# Allegro board HI3516AREFB VER.D.brd (continued)
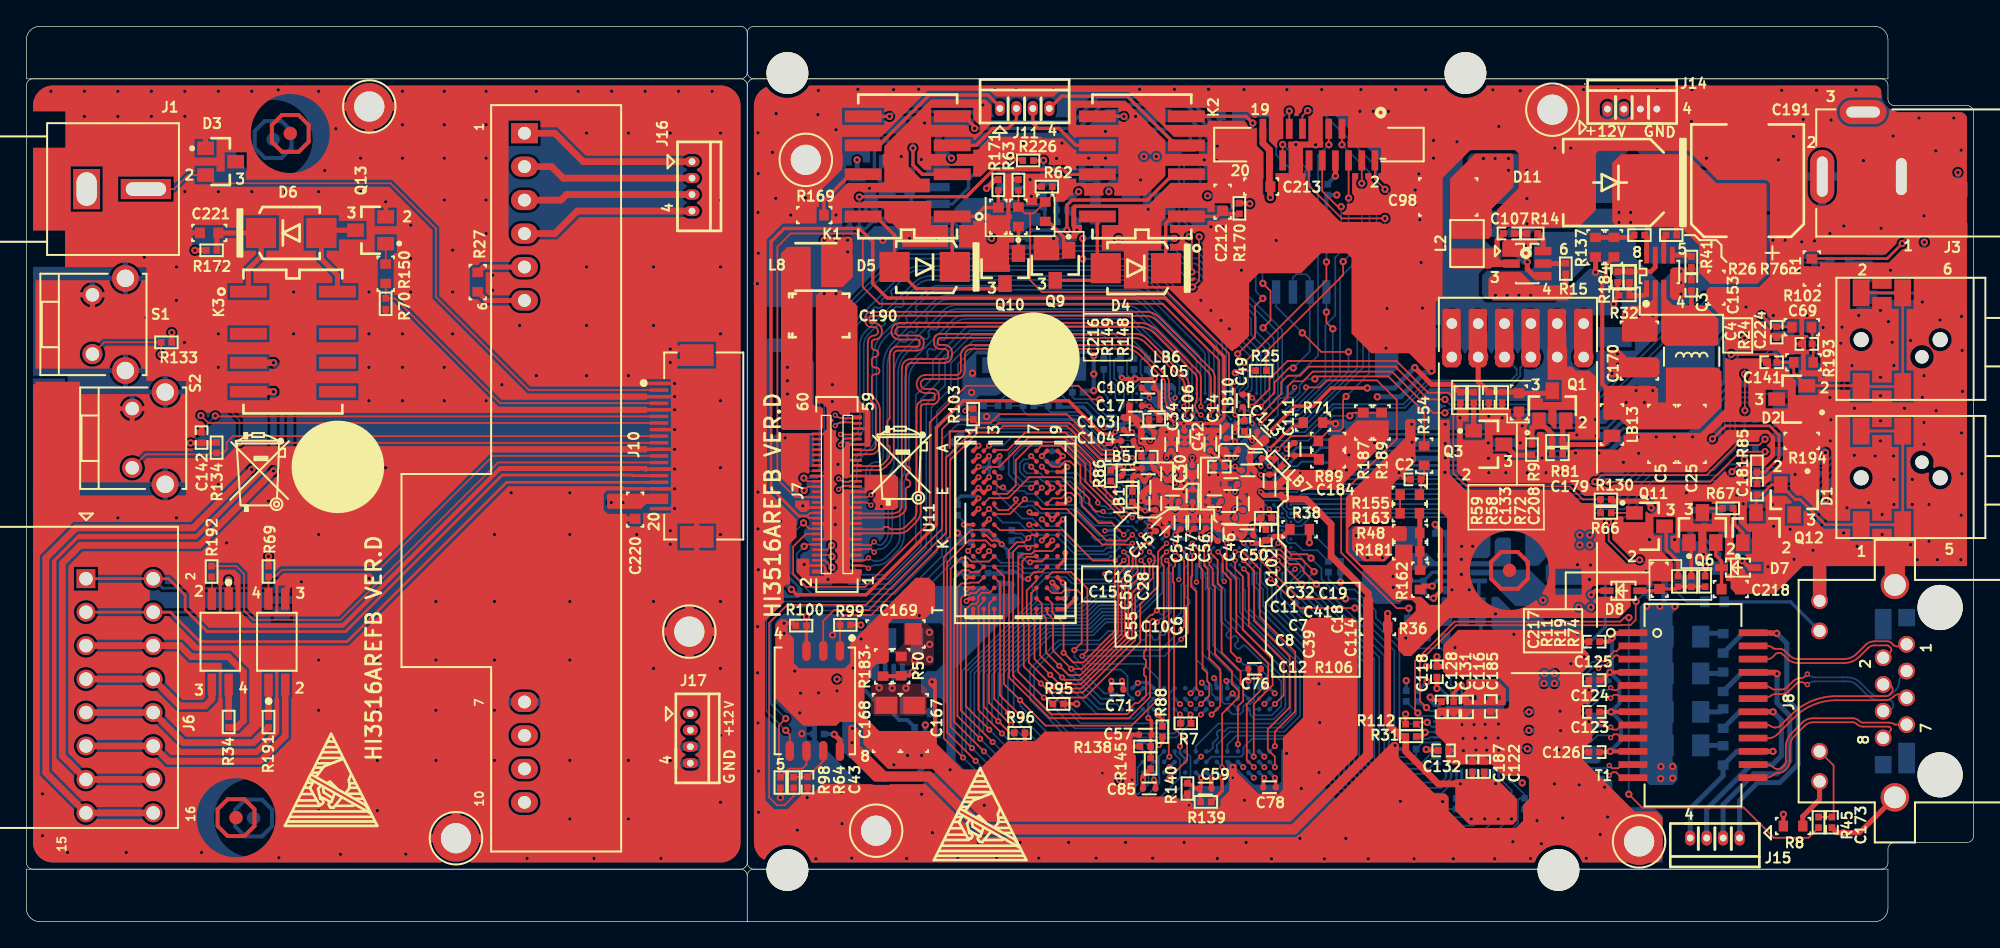
[diagram p0: board, top side]
## Routing (per net, layer and track width the routed paths; a pad name or vN(x,y) marks a point on that pad's centre or on a via; arc(x,y) is an arc through that point) (continued)
DDR3_DQ14: length 14
  TOP w0.13: v3(91.98,19.88) 91.37,20.49 91.37,25.98 90.76,26.59 90.76,27.72 v2(90.41,28.07)
  BOTTOM w0.13: U8.D14 v2(90.41,28.07) ; v3(91.98,19.88) 92.36,19.5 93.3,19.5 94.14,18.67 94.14,18.18 93.93,17.97 93.93,17.33 U12.B8
DDR3_DQ15: length 18.6
  TOP w0.13: v2(91.71,28.07) 92.28,28.07 93.58,26.77 93.58,23.16 96.27,20.47 96.27,15.97 94.72,14.42 v3(94.72,13.33)
  BOTTOM w0.102: U8.D16 v2(91.71,28.07)
  BOTTOM w0.13: v3(94.72,13.33) U12.A3
DDR3_DQ16: length 16.2
  TOP w0.13: v2(83.26,30.67) 83.26,30.67 83.08,30.67 80.35,33.4 80.35,34.74 78.67,36.42 76.46,36.42 75.06,35.02 75.06,33.12 74.43,32.48 73.5,32.48 U11.E3
  BOTTOM w0.13: U8.G3 v2(83.26,30.67)
DDR3_DQ17: length 9.1
  TOP w0.13: v2(83.91,28.72) 83.81,28.62 81.63,28.62 78.91,31.34 77.04,31.34 U11.F7
  BOTTOM w0.13: U8.D3 v2(83.91,28.72)
DDR3_DQ18: length 14.1
  TOP w0.13: U11.F2 73.05,32.15 74.51,32.15 76.09,33.74 78.53,33.74 80.07,32.2 80.07,31.57 81.36,30.27 82.36,30.27 v2(83.26,29.37)
  BOTTOM w0.13: U8.F3 v2(83.26,29.37)
DDR3_DQ19: length 9.5
  TOP w0.13: v2(83.91,29.37) 83.47,28.93 81.95,28.93 79.59,31.29 79.59,32.23 79.26,32.56 78.95,32.56 78.53,32.14 77.84,32.14 U11.F8
  BOTTOM w0.13: U8.E4 v2(83.91,29.37)
DDR3_DQ20: length 10.8
  TOP w0.13: U11.H3 73.86,29.72 76.26,29.72 76.27,29.73 78.6,29.73 80.91,27.42 v2(82.61,27.42)
  BOTTOM w0.13: U8.C2 v2(82.61,27.42)
DDR3_DQ21: length 8.2
  TOP w0.127: U11.H8 77.44,30.14 v3(77.04,30.54)
  BOTTOM w0.13: U8.E3 83.26,28.72 81.85,28.72 81.62,28.49 79.89,28.49 78.37,30.02 77.56,30.02 v3(77.04,30.54)
DDR3_DQ22: length 12.4
  TOP w0.13: v3(73.04,31.33) 72.65,30.94 U11.G2
  BOTTOM w0.13: U8.C1 82.08,27.53 76.74,27.53 76.49,27.78 76.49,29.31 76.16,29.64 75.99,29.64 75.33,30.3 74.08,30.3 v3(73.04,31.33)
DDR3_DQ23: length 8.6
  TOP w0.127: U11.H7 76.64,30.14 v3(76.09,30.14)
  BOTTOM w0.13: U8.D2 82.6,28.06 82.15,28.06 81.97,27.89 79.56,27.89 78.09,29.36 76.87,29.36 v3(76.09,30.14)
DDR3_DQ24: length 16.3
  TOP w0.13: U11.D7 76.64,33.34 v3(76.24,32.94)
  BOTTOM w0.13: v3(76.24,32.94) 76.11,33.07 75.39,33.07 74.53,33.93 74.53,35.53 75.42,36.42 78.85,36.42 82,33.27 83.07,33.27 83.24,33.09 83.24,33.09 83.26,33.08 83.26,31.98 U8.J3
DDR3_DQ25: length 12.5
  TOP w0.127: v3(73.84,33.74) 73.44,34.14 U11.C3
  BOTTOM w0.13: v3(73.84,33.74) 73.62,33.52 73.62,32.53 75.55,30.6 76.33,30.6 77.25,29.69 78.27,29.69 79.81,28.14 81.72,28.14 81.98,28.4 U8.D1
DDR3_DQ26: length 7
  TOP w0.13: U11.C8 77.44,34.14 v3(77.04,34.54)
  BOTTOM w0.13: U8.J1 82.12,31.65 79.71,34.06 78.7,34.06 78.57,34.18 77.4,34.18 v3(77.04,34.54)
DDR3_DQ27: length 16.1
  TOP w0.13: U11.C2 73.02,34.52 73.8,34.52 76.03,36.75 78.77,36.75 80.73,34.79 80.73,33.45 83.09,31.09 83.49,31.09 v2(83.91,30.67)
  BOTTOM w0.13: v2(83.91,30.67) 84.24,30.99 U8.H4
DDR3_DQ28: length 9.5
  TOP w0.13: U11.A7 77.04,36.14 78.47,36.14 79.97,34.64 79.97,33.32 81.29,32 v2(81.29,31.8)
  BOTTOM w0.13: v2(81.29,31.8) 81.54,31.54 81.85,31.54 82.08,31.31 82.46,31.31 82.78,31 U8.H2
DDR3_DQ29: length 15.2
  TOP w0.127: U11.A2 72.64,35.74 v3(73.04,36.14)
  BOTTOM w0.13: v3(73.04,36.14) 74.1,36.14 74.73,36.78 78.98,36.78 81.83,33.92 83.78,33.92 83.9,33.79 83.9,31.98 84,31.88 U8.J4
DDR3_DQ30: length 7.9
  TOP w0.13: U11.B8 77.84,34.54 78.4,34.54 78.8,34.95 79.18,34.95 79.59,34.54 79.59,33.17 80.65,32.1 80.65,31.64 81.16,31.14 v2(81.69,31.14)
  BOTTOM w0.13: v2(81.69,31.14) 81.84,31 U8.H1
DDR3_DQ31: length 15.6
  TOP w0.13: v2(84.56,30.67) 83.89,31.34 83.27,31.34 81.11,33.5 81.11,34.87 78.85,37.13 75.78,37.13 74.46,35.81 73.51,35.81 U11.A3
  BOTTOM w0.13: U8.G4 84.24,30.35 v2(84.56,30.67)
DDR3_DQS0_N: length 21.4
  BOTTOM w0.114: U8.A15 91.39,26.27 91.78,25.87 91.78,24.91 91.76,24.89 91.76,24.87
  BOTTOM w0.127: 91.76,24.87 91.76,23.35 96.32,18.79 96.32,15.74 95.31,14.73 91.2,14.73 90.93,14.46 90.75,14.46 90.68,14.54 90.5,14.54 90.32,14.36 90.32,14.18 90.39,14.1 90.39,13.92 90.02,13.55 90.02,13.2 89.75,12.93 U12.G3
DDR3_DQS0_P: length 21.4
  BOTTOM w0.114: 92.07,24.87 92.07,24.89 92.05,24.91 92.05,25.99 91.73,26.31 91.73,26.75 U8.B15
  BOTTOM w0.127: U12.F3 90.32,13.43 91.32,14.42 95.44,14.42 96.63,15.62 96.63,18.92 92.07,23.48 92.07,24.87
DDR3_DQS1_N: length 16.8
  BOTTOM w0.127: U12.B7 93.27,16.12 93.15,16 93.15,15.83 93.31,15.67 94.5,15.67 95.21,16.38 95.21,18.23 92.48,20.96 92.3,20.96 92.06,20.72 91.88,20.72 91.7,20.9 91.7,21.08 91.94,21.32 91.94,21.5 91.76,21.68 91.58,21.68 91.41,21.5 91.23,21.5 91.05,21.68 91.05,21.86 91.22,22.04 91.22,22.22 90.63,22.81 90.63,25.07 90.09,25.61 U8.A13
DDR3_DQS1_P: length 16.8
  BOTTOM w0.127: U8.B13 90.4,26.78 90.4,26.31 90.39,26.3 90.39,25.74 90.94,25.19 90.94,22.93 95.51,18.36 95.51,16.25 94.62,15.36 93.18,15.36 92.84,15.7 92.84,16 U12.C7
DDR3_DQS2_N: length 11.3
  TOP w0.127: U11.G3 74.61,30.94 75.74,32.07 v3(75.75,32.07)
  BOTTOM w0.114: U8.E2 82.62,29.36 82.05,29.36 81.98,29.3 81.48,29.3
  BOTTOM w0.127: 81.48,29.3 81.38,29.3 79.36,31.31 77.05,31.31 76.46,31.9 75.92,31.9 v3(75.75,32.07)
DDR3_DQS2_P: length 11.2
  TOP w0.127: U11.F3 73.44,31.57 73.76,31.24 74.49,31.24 75.06,31.82 v3(75.06,32.05)
  BOTTOM w0.114: U8.E1 82.15,29.05 82.11,29 81.48,29
  BOTTOM w0.127: v3(75.06,32.05) 75.06,31.87 75.45,31.49 75.85,31.49 75.95,31.59 76.34,31.59 76.92,31.01 79.23,31.01 80.83,29.41 80.83,29.23 81.07,28.99 81.25,28.99 81.26,29 81.48,29
DDR3_DQS3_N: length 11.3
  TOP w0.127: U11.B7 76.64,34.94 v3(76.24,35.34)
  BOTTOM w0.114: U8.G1 82.25,30.38 81.67,30.38 81.61,30.44 81.48,30.44
  BOTTOM w0.127: 81.48,30.44 81.3,30.44 80.2,31.54 79.94,31.8 79.94,32.36 79.94,32.69 79.2,33.42 77.12,33.42 76.82,33.73 75.8,33.73 75.37,34.16 75.37,34.79 75.68,35.09 75.99,35.09 v3(76.24,35.34)
DDR3_DQS3_P: length 11.2
  TOP w0.127: v3(76.24,34.54) 76.64,34.14 U11.C7
  BOTTOM w0.114: U8.G2 82.61,30.67 81.78,30.67 81.71,30.74 81.49,30.74 81.48,30.75
  BOTTOM w0.127: 81.48,30.75 81.42,30.75 80.86,31.31 80.86,31.54 80.65,31.75 80.42,31.75 80.25,31.92 80.25,32.36 80.25,32.81 79.33,33.73 77.25,33.73 76.94,34.03 75.93,34.03 75.67,34.29 75.67,34.66 75.8,34.79 75.99,34.79 v3(76.24,34.54)
DDR3_ODT_0: length 19.8
  TOP w0.13: v2(87.16,27.42) 87.16,27.03 87,26.87 87,25.78 87.08,25.71 87.08,14.7 88.07,13.71 88.07,12.27 v3(86.73,10.92)
  BOTTOM w0.13: U12.K1 87.12,11.32 v3(86.73,10.92) ; v2(87.16,27.42) 87.66,27.42 87.83,27.59 87.83,28.09 87.91,28.17 U8.D10
DDR3_ODT_1: length 13
  TOP w0.13: v3(71.44,28.14) 71.84,28.54 U11.K1
  BOTTOM w0.13: v3(71.44,28.14) 72.58,27 75.17,27 75.7,26.46 76.59,26.46 76.92,26.79 82.14,26.79 82.15,26.78 82.42,26.78 82.68,27.04 82.89,27.04 U8.B2
DDR3_RAS_N: length 66.2
  TOP w0.13: v3(71.07,12.46) 69.6,13.92 69.6,27.66 71.69,29.74 73.04,29.74 U11.J3
  BOTTOM w0.13: U12.J3 88.32,12.52 88.32,10.97 88.24,10.89 88.24,10.89 86.27,8.92 74.6,8.92 v3(71.07,12.46) 71,12.52 71,19.05 76.33,24.38 76.33,25.62 77.2,26.49 78.97,26.49 79.47,25.98 82.33,25.98 82.61,26.26 82.61,26.59 82.79,26.77 83.15,26.77 83.36,26.98 83.48,27.1 U8.B3
DDR3_RESET_N: length 40.1
  TOP w0.13: R96.2 74.63,14.33 v3(73.74,15.21) 72.64,16.32 U11.T2
  BOTTOM w0.13: U8.B6 85.2,26.76 85.2,25.29 83.41,23.51 81.6,23.51 80.61,22.52 77.4,22.52 73.74,18.86 v3(73.74,15.21) 76.83,12.12 U12.T2
DDR3_WE_N: length 59.7
  TOP w0.13: U11.L3 73.04,27.34 71.7,27.34 71.41,27.63 70.95,27.63 70.12,26.8 70.12,14.79 v3(71.74,13.18)
  BOTTOM w0.13: U12.L3 85.92,12.52 85.92,11.11 85.96,11.07 85.96,10.94 85.96,10.94 85.96,10.6 85.96,10.6 85.96,10.51 84.89,9.44 75.48,9.44 v3(71.74,13.18) 71.64,13.28 71.64,18.95 76.76,24.08 79.84,24.08 80.91,25.14 82.33,25.14 83.27,26.08 83.27,26.56 83.48,26.77 83.75,26.77 83.92,26.94 83.92,27.43 U8.C4
DDR3_ZQ: length 2.1
  TOP w0.13: R86.2 82.61,33.12 v2(82.61,32.62)
  BOTTOM w0.13: U8.J2 82.94,31.82 82.61,32.15 v2(82.61,32.62)
DRV+: length 7.7
  TOP w0.254: v1(67.27,58.72) 67.27,57.45 67.98,56.73 K1.2
  BOTTOM w0.254: C223.1 66.12,59.46 R190.2 ; C223.1 67.29,59.48 R17.2 ; C223.1 v1(67.27,58.72)
DRV-: length 4.9
  TOP w0.254: R169.2 60.51,54.73 62.51,56.73 K1.7
DVR+/A-_WHITE: length 6.5
  TOP w0.254: J11.2 75.11,60.85 74.48,60.22 73.34,60.22 72.05,58.93 K1.3
DVR-/B-_GREEN: length 12.4
  TOP w0.254: K1.6 64.69,58.93 68.5,62.75 72.97,62.75 73.86,61.85 J11.1
EPHY_CLK: length 18.2
  BOTTOM w0.127: U2.42 109.7,17.39 110.17,17.85 110.17,20.11 109.81,20.47 109.08,20.47 108.72,20.11 107.98,20.11 107.35,20.75 104.7,20.75 102.38,23.07 102.38,23.61 100.77,25.22 99.55,25.22 98.79,25.98 R22.1
EPHY_RSTN: length 25.1
  TOP w0.127: v2(94.96,28.72) 95.13,28.72 95.97,27.89 97.18,27.89 v1(97.47,27.6)
  BOTTOM w0.114: U8.D20 v2(94.96,28.72)
  BOTTOM w0.127: v1(97.47,27.6) 98.25,26.81 98.25,26.01 98.89,25.37 98.89,24.91 103.41,20.39 103.41,13.65 103.35,13.59 103.35,13.12 103.97,12.49 105.31,12.49 105.44,12.62 C192.1 105.94,13.6 U2.29
FLASH: length 52.4
  TOP w0.508: K3.3 v1(18.75,42.43) ; v1(18.75,34.21) 13.11,28.57 4.1,28.57 2.73,27.2 2.73,12.59 J6.13 J6.14
  BOTTOM w0.508: v1(18.75,42.43) 20.02,41.16 20.02,35.48 v1(18.75,34.21)
FLASH_COM: length 52.6
  TOP w0.508: v1(17.1,34.33) 12.66,29.89 3.77,29.89 1.48,27.61 1.48,11.3 J6.15 J6.16 ; K3.4 v1(18.75,40.23)
  BOTTOM w0.508: v1(18.75,40.23) 18.75,35.98 v1(17.1,34.33)
FLASH_CON: length 25.2
  TOP w0.127: R150.1 R70.2 27.98,47.31 35.93,39.36 J10.4
FLASH_TRIG: length 19
  TOP w0.127: v1(101.32,56.05) J9.4 ; R25.1 94.09,43.28 99.91,49.09 v1(99.91,50.11)
  BOTTOM w0.127: v1(99.91,50.11) 101.32,51.52 v1(101.32,56.05)
GPIO1: length 22.2
  TOP w0.127: v1(88.43,49.32) 88.43,51.79 v1(88.22,51.99)
  BOTTOM w0.127: v1(88.22,51.99) 88.22,52.12 87.46,52.88 87.46,57.7 87.84,58.09 88.3,58.09 U13.14 ; U8.AA19 93.66,39.77 93.66,43.25 92.54,44.37 92.54,45.64 88.86,49.32 v1(88.43,49.32)
GPIO2: length 20.8
  TOP w0.127: v1(88.98,51.99) 88.98,48.69 v1(88.48,48.18)
  BOTTOM w0.127: v1(88.48,48.18) 88.98,48.18 91.78,45.39 91.78,43.99 92.97,42.8 92.97,40.38 U8.AB17 ; v1(88.98,51.99) 87.84,53.13 87.84,57.45 87.97,57.58 U13.13
GPIO3: length 20.6
  TOP w0.127: v1(93.84,45.08) 94.39,45.64 94.39,47.88 v1(93.81,48.46)
  BOTTOM w0.127: U8.AB20 94.64,44.28 v1(93.84,45.08) ; U13.7 92.68,58.08 93.78,56.97 93.78,48.48 v1(93.81,48.46)
GPIO4: length 20.6
  TOP w0.127: v1(91.9,43.1) 93.23,44.42 93.23,46.73 v1(93.81,47.32)
  BOTTOM w0.127: U8.AB16 92.04,40.36 92.36,40.69 92.36,41.75 91.9,42.21 v1(91.9,43.1) ; v1(93.81,47.32) 93.28,47.85 93.28,52.35 93.43,52.5 93.43,56.82 92.67,57.58 U13.8
GPIO5: length 33
  TOP w0.114: v2(91.71,38.47) 91.71,40.37 91.24,40.84 91.24,41.14
  TOP w0.127: 76.16,53.77 76.16,48.69 77.05,47.8 86.57,47.8 91.24,43.13 91.24,41.14 ; 76.16,53.77 76.44,53.77 R148.1 77.83,55.16 R62.2 ; 76.16,53.77 75.75,53.77 R149.1 R63.2
  BOTTOM w0.114: U8.W16 v2(91.71,38.47)
HI3516A_ALARM_IN: length 28.1
  TOP w0.127: J9.12 97.32,55.87 99.8,53.39 v1(103.08,53.39)
  BOTTOM w0.127: v1(103.08,53.39) 103.08,50.92 101.42,49.26 101.42,42.07 96.84,37.5 U8.V22
HI3516A_ALARM_OUT: length 32
  TOP w0.127: J9.13 96.82,61.17 v1(97.21,61.57)
  BOTTOM w0.127: U8.V21 95.61,37.82 96.76,37.82 100.97,42.03 100.97,49.53 102.45,51 102.45,57.3 98.18,61.57 v1(97.21,61.57)
I2C2_SCL: length 19.3
  BOTTOM w0.127: R56.1 85.58,52.82 85.9,53.14 U19.3 86.72,53.14 87.64,52.21 87.64,51.68 88.07,51.25 88.96,51.25 95.29,44.93 U8.AB21
I2C2_SDA: length 20.6
  BOTTOM w0.127: U19.4 84.17,53.14 84.49,52.82 R57.1 85,51.37 87.32,51.37 87.82,50.87 88.83,50.87 94.95,44.75 94.95,39.92 94.64,39.61 U8.AA20
IRCUT_CONTROL_1: length 60.5
  TOP w0.127: J7.34 59.31,33.03 v1(59.01,32.74)
  BOTTOM w0.13: v1(59.01,32.74) 58.4,33.35 58.4,33.83 58.78,34.21 60,34.21 60.15,34.36 60.15,41.45 60.8,42.09 60.8,45.33 66.14,50.67 78.52,50.67 79.15,51.3 84.21,51.3 84.52,50.99 87.19,50.99 87.82,50.36 88.84,50.36 93.3,45.89 93.3,44.8 94.32,43.79 94.32,39.11 U8.Y20
IRCUT_CONTROL_2: length 56.5
  TOP w0.127: v1(58.99,33.68) 59.23,33.43 J7.36
  BOTTOM w0.13: U8.AB19 93.99,43.51 92.92,44.57 92.92,45.77 88.73,49.96 87.68,49.96 86.97,50.66 84.21,50.66 83.96,50.91 79.27,50.91 78.7,50.34 66.28,50.34 61.2,45.26 61.2,41.98 60.54,41.32 60.54,34.21 60,33.68 v1(58.99,33.68)
IRIS_5V0: length 6
  BOTTOM w0.381: U16.8 69.17,58.44 C228.1 ; R18.2 112.89,54.71 ; R17.1 C228.1 ; C228.1 69.68,58.47 v1(70.19,57.96) ; Q5.3 v1(63.03,57.83)
  vias: v1(110.55,57.93) v1(111.44,57.93) v1(112.45,57.93) v1(112.45,57.04)
LED0_ACTIVE/PHY_AD0: length 53.9
  TOP w0.127: v1(121.57,9.67) 122.59,8.66 130.31,8.66 132.6,6.37 135.21,6.37 R45.2 ; v1(121.58,23.08) 121.24,23.08 120.94,22.78 108.36,22.78 105.37,19.79 105.37,16.05 v1(105.57,15.85)
  BOTTOM w0.127: v1(121.58,23.08) 121.58,23.04 121.57,23.03 v1(121.57,9.67) ; R111.1 105.28,16.14 105.28,16.14 v1(105.57,15.85) 105.8,15.62 107,15.62 U2.34
LED1: length 52
  TOP w0.127: v1(107.63,39.65) 106.36,39.65 103.87,42.13 97.32,42.13 96.63,41.45 95.71,41.45 95.21,40.94 95.21,40.05 93.64,38.48 v2(93,38.48)
  BOTTOM w0.127: U8.Y17 v2(93,38.48) ; v1(107.63,39.65) 108.01,39.26 118.88,39.26 127.27,47.65 131.25,47.65 133.64,50.03 R131.2
  BOTTOM w0.254: R131.2 136.81,50.03 R177.1
LED1_LINKE/PHY_AD1: length 25.8
  TOP w0.127: v1(122.13,24.3) 122.13,24.07 122.1,24.04 122.1,22.91 121.72,22.53 121.08,22.53 121.05,22.5 108.48,22.5 105.72,19.75 105.72,16.76 v1(106.23,16.25)
  BOTTOM w0.127: U2.35 106.49,16 v1(106.23,16.25) 106.05,16.25 R121.1 ; v1(122.13,24.3) 122.61,24.79 R44.2
LED2: length 48.2
  TOP w0.114: 95.71,39.87 95.71,40.64 96.1,41.02 96.86,41.02 96.98,41.14
  TOP w0.127: 95.71,39.87 v2(93.66,37.82) ; 96.98,41.14 97.59,41.75 103.61,41.75 106.74,38.63 v1(107.63,38.63)
  BOTTOM w0.114: U8.W18 v2(93.66,37.82)
  BOTTOM w0.127: v1(107.63,38.63) 107.88,38.88 119.14,38.88 127.42,47.16 133.28,47.16 R132.2 133.33,47.16 R179.1
MDCK: length 1.7
  BOTTOM w0.127: U2.30 106.49,14 106.38,13.89 105.55,13.89 R29.1
MDI_0+: length 11.2
  TOP w0.127: v2(119.29,20.01) 119.54,19.76 119.68,19.76 120.45,20.52 120.64,20.52 121.04,20.93 T1.2
  BOTTOM w0.127: v2(119.29,20.01) 118.98,19.71 118.8,19.71 116.21,17.12 113.95,17.12 113.23,16.4 U2.1
MDI_0-: length 11.1
  TOP w0.127: T1.3 121.03,19.93 120.74,20.22 120.57,20.22 119.81,19.45 119.52,19.45 v2(119.29,19.22)
  BOTTOM w0.127: U2.2 113.27,16 114.08,16.81 116.34,16.81 118.93,19.4 119.11,19.4 v2(119.29,19.22)
MDI_1+: length 10.4
  TOP w0.127: T1.5 121.03,17.93 120.69,17.58 120.38,17.58 v2(120.2,17.76)
  BOTTOM w0.127: U2.4 113.53,15.2 113.67,15.34 117.31,15.34 119.54,17.57 120.01,17.57 v2(120.2,17.76)
MDI_1-: length 10.5
  TOP w0.127: v2(120.2,16.97) 120.45,17.22 120.74,17.22 121.03,16.93 T1.6
  BOTTOM w0.127: v2(120.2,16.97) 119.9,17.27 119.67,17.27 117.43,15.03 113.8,15.03 113.56,14.8 U2.5
MDI_2+: length 9.7
  TOP w0.127: T1.8 121.03,14.93 120.69,14.58 120.38,14.58 v2(120.2,14.76)
  BOTTOM w0.127: v2(120.2,14.76) 119.89,14.45 119.08,14.45 118.58,13.95 113.44,13.95 113.39,14 U2.7
MDI_2-: length 9.6
  TOP w0.127: v2(120.2,13.97) 120.45,14.22 120.74,14.22 121.03,13.93 T1.9
  BOTTOM w0.127: v2(120.2,13.97) 120.03,14.14 119.21,14.14 118.71,13.64 113.44,13.64 113.39,13.6 U2.8
MDI_3+: length 9.9
  TOP w0.127: v2(120.1,11.86) 120.32,11.64 120.77,11.64 121.06,11.93 T1.11
  BOTTOM w0.127: U2.10 113.39,12.8 114.54,11.66 119.9,11.66 v2(120.1,11.86)
MDI_3-: length 9.9
  TOP w0.127: v2(120.1,11.1) 120.34,11.34 120.62,11.34 121.03,10.93 T1.12
  BOTTOM w0.127: U2.11 113.36,12.4 114.41,11.35 114.99,11.35 119.84,11.35 v2(120.1,11.1)
MDIO: length 24.3
  TOP w0.127: v2(93.01,28.07) 96.57,24.51 v1(100.08,24.51)
  TOP w0.381: R31.2 105.83,14.07 v1(106.13,14.37)
  BOTTOM w0.114: U8.D18 v2(93.01,28.07)
  BOTTOM w0.127: U2.31 106.26,14.4 106.23,14.37 v1(106.13,14.37) 105.47,15.03 104.53,15.03 104.17,15.39 104.17,20.75 101.76,23.16 101.76,23.59 100.84,24.51 v1(100.08,24.51)
MIPI0_CKM: length 44.3
  TOP w0.127: v2(87.81,39.12) 87.92,39.23 87.92,40.62 arc(87.86,40.9) 87.72,41.14 arc(87.69,41.17) 87.66,41.19 84.9,43.95 arc(84.5,44.22) 84.02,44.32 69.3,44.32 arc(69.21,44.28) 69.17,44.19 69.17,43.91 arc(69.21,43.82) 69.3,43.79 69.64,43.79 arc(70.06,43.61) 70.24,43.19 70.24,43 arc(70.07,42.59) 69.65,42.41 67.14,42.41 arc(66.85,42.29) 66.72,42 66.72,35.68 66.85,35.55 66.94,35.55 67.06,35.43 67.06,35.17 66.94,35.04 66.85,35.04 66.72,34.92 66.72,34.66 66.85,34.53 66.94,34.53 67.06,34.41 67.06,34.15 66.94,34.03 66.85,34.03 66.72,33.9 66.72,33.64 66.85,33.52 66.94,33.52 67.06,33.39 67.06,33.13 66.94,33.01 66.85,33.01 66.72,32.88 66.72,31.38 arc(66.7,31.24) 66.62,31.13 66.53,31.03 arc(66.52,31.03) 66.52,31.02 arc(66.14,30.77) 65.69,30.68 63.09,30.68 J7.21
  BOTTOM w0.127: v2(87.81,39.12) 88.13,38.8 U8.Y10
MIPI0_CKP: length 44.4
  TOP w0.127: J7.23 63.09,30.98 65.69,30.98 arc(66.02,31.05) 66.3,31.24 arc(66.31,31.24) 66.31,31.24 arc(66.39,31.37) 66.42,31.52 66.42,42 arc(66.63,42.51) 67.14,42.72 69.65,42.72 arc(69.85,42.8) 69.93,43 69.93,43.19 arc(69.85,43.4) 69.64,43.48 69.3,43.48 arc(68.99,43.61) 68.87,43.91 68.87,44.19 arc(68.99,44.5) 69.3,44.62 84.11,44.62 arc(84.62,44.52) 85.05,44.24 87.88,41.41 arc(87.91,41.38) 87.94,41.34 arc(88.02,41.25) 88.09,41.14 arc(88.19,40.89) 88.22,40.62 88.22,39.06 arc(88.19,38.89) 88.1,38.75 v2(87.81,38.47)
  BOTTOM w0.127: U8.W10 88.13,38.15 v2(87.81,38.47)
MIPI0_D0M: length 45.2
  TOP w0.127: v2(64.32,28.04) 64.09,28.28 63.09,28.28 J7.9
  BOTTOM w0.127: U8.AB10 88.14,41.86 arc(88.06,42.24) 87.84,42.57 84.3,46.11 arc(83.86,46.4) 83.35,46.5 70.6,46.5 arc(70.15,46.41) 69.76,46.16 69.41,45.8 69.16,45.55 69.16,45.37 69.22,45.31 69.22,45.13 69.04,44.95 68.86,44.95 68.8,45.01 68.62,45.01 68.44,44.83 68.44,44.65 68.5,44.59 68.5,44.41 68.32,44.23 68.14,44.23 68.08,44.29 67.9,44.29 67.72,44.11 67.72,43.93 67.78,43.87 67.78,43.69 67.6,43.51 67.42,43.51 67.36,43.57 67.18,43.57 66.78,43.18 arc(66.31,42.46) 66.14,41.61 66.14,41.61 66.14,34.8 arc(66.06,34.38) 65.85,34 arc(65.74,33.81) 65.7,33.6 65.7,29.64 arc(65.58,29.03) 65.24,28.52 65.19,28.47 arc(64.99,28.34) 64.75,28.29 arc(64.58,28.26) 64.44,28.16 v2(64.32,28.04)
MIPI0_D0P: length 45.3
  TOP w0.127: v2(64.32,28.84) 64.07,28.58 63.09,28.58 J7.11
  BOTTOM w0.127: U8.AA10 88.24,39.55 88.3,39.61 arc(88.4,39.77) 88.44,39.95 88.44,41.86 arc(88.34,42.36) 88.06,42.78 88.01,42.83 85.18,45.66 84.55,46.29 84.55,46.29 84.51,46.33 arc(83.98,46.68) 83.35,46.81 70.6,46.81 arc(70.03,46.7) 69.55,46.37 66.57,43.39 arc(66.02,42.58) 65.83,41.61 65.83,34.8 arc(65.78,34.48) 65.61,34.2 arc(65.45,33.92) 65.4,33.6 65.4,29.64 arc(65.3,29.15) 65.03,28.74 64.98,28.69 arc(64.87,28.62) 64.75,28.59 arc(64.59,28.63) 64.45,28.72 64.33,28.84 v2(64.32,28.84)
MIPI0_D1M: length 44
  TOP w0.127: J7.3 63.46,27.03 arc(63.66,26.99) 63.83,26.88 v2(63.89,26.82)
  BOTTOM w0.127: U8.AB9 87.49,41.45 arc(87.43,41.73) 87.27,41.97 83.98,45.26 83.83,45.41 arc(83.44,45.67) 82.97,45.77 71.31,45.77 arc(70.84,45.67) 70.43,45.4 69.77,44.74 69.77,44.56 69.83,44.5 69.83,44.32 69.65,44.14 69.47,44.14 69.41,44.2 69.23,44.2 69.05,44.02 69.05,43.84 69.11,43.78 69.11,43.6 68.93,43.42 68.75,43.42 68.69,43.48 68.51,43.48 68.33,43.3 68.33,43.12 68.39,43.06 68.39,42.88 68.21,42.7 68.03,42.7 67.97,42.76 67.79,42.76 67.52,42.49 arc(67.31,42.25) 67.15,41.97 arc(67.01,41.57) 66.96,41.14 66.96,34.29 arc(66.89,33.92) 66.7,33.6 arc(66.62,33.46) 66.59,33.3 66.59,29.32 arc(66.46,28.66) 66.09,28.1 65.45,27.47 arc(65,27.17) 64.48,27.06 arc(64.47,27.06) 64.46,27.06 arc(64.15,27) v2(63.89,26.82)
MIPI0_D1P: length 44
  TOP w0.127: v2(63.89,27.61) 63.88,27.61 arc(63.69,27.48) 63.46,27.43 J7.5
  BOTTOM w0.127: U8.AA9 87.63,39.59 arc(87.75,39.77) 87.79,39.98 87.79,41.45 arc(87.71,41.85) 87.49,42.19 87.4,42.28 84.19,45.48 84.05,45.63 arc(83.55,45.96) 82.97,46.07 71.31,46.07 arc(70.72,45.95) 70.22,45.62 69.88,45.28 67.3,42.7 arc(67.06,42.42) 66.88,42.1 arc(66.71,41.64) 66.66,41.14 66.66,34.29 arc(66.61,34.03) 66.47,33.8 arc(66.33,33.57) 66.29,33.3 66.29,29.32 arc(66.18,28.78) 65.87,28.32 65.23,27.68 arc(64.89,27.45) 64.48,27.37 arc(64.16,27.43) v2(63.89,27.61)
MIPI0_D2M: length 44.9
  TOP w0.127: J7.27 63.55,31.83 arc(63.84,31.77) v2(64.08,31.61)
  BOTTOM w0.127: v2(64.08,31.61) 64.24,31.77 arc(64.3,31.81) 64.36,31.84 arc(64.38,31.85) 64.39,31.85 arc(64.39,31.85) 64.39,31.85 arc(64.5,31.87) 64.6,31.94 64.66,32 arc(64.78,32.17) 64.82,32.37 64.82,33.14 arc(64.65,33.55) 64.24,33.71 arc(64.06,33.79) 63.99,33.97 63.99,34.06 arc(64.15,34.43) 64.52,34.59 64.59,34.59 arc(65.1,34.8) 65.31,35.32 65.31,42.16 arc(65.49,43.03) 65.98,43.77 66.28,44.07 66.46,44.07 66.52,44 66.7,44 66.88,44.18 66.88,44.36 66.82,44.43 66.82,44.61 67,44.79 67.18,44.79 67.24,44.72 67.42,44.72 67.6,44.9 67.6,45.08 67.54,45.15 67.54,45.33 67.72,45.51 67.9,45.51 67.96,45.44 68.14,45.44 68.32,45.63 68.32,45.81 68.26,45.87 68.26,46.05 69.12,46.91 arc(69.49,47.15) 69.92,47.24 83.85,47.24 arc(84.28,47.16) 84.63,46.92 88.61,42.94 arc(88.74,42.75) 88.79,42.52 U8.AB11
MIPI0_D2P: length 44.9
  TOP w0.127: J7.29 63.66,32.23 arc(63.89,32.28) v2(64.08,32.41)
  BOTTOM w0.127: v2(64.08,32.41) 64.22,32.26 arc(64.41,32.23) 64.51,32.38 64.51,33.14 arc(64.43,33.33) 64.24,33.41 arc(63.85,33.57) 63.69,33.97 63.69,34.06 arc(63.93,34.65) 64.52,34.9 64.59,34.9 arc(64.88,35.02) 65.01,35.32 65.01,42.16 arc(65.2,43.15) 65.76,43.99 65.95,44.17 68.68,46.9 68.9,47.12 arc(69.37,47.44) 69.92,47.55 83.85,47.55 arc(84.39,47.44) 84.85,47.13 84.96,47.03 84.96,47.03 88.68,43.31 88.83,43.16 arc(89.02,42.86) 89.09,42.52 89.09,39.95 arc(89.05,39.77) 88.95,39.61 88.93,39.59 U8.AA11
MIPI0_D3M: length 42.3
  TOP w0.127: v2(87.16,38.47) 86.78,38.85 arc(86.49,39.28) 86.39,39.78 86.39,40.92 arc(86.36,41.08) 86.27,41.22 84.4,43.08 arc(83.96,43.38) 83.44,43.48 71.71,43.48 arc(71.35,43.33) 71.2,42.97 71.2,41.84 arc(71.02,41.38) 70.56,41.19 68.23,41.19 arc(67.85,40.81) 68.23,40.43 68.79,40.43 arc(69.1,40.31) 69.22,40 69.22,39.72 arc(69.1,39.42) 68.79,39.29 68.16,39.29 arc(67.94,39.2) 67.85,38.99 67.85,31.16 arc(67.76,30.72) 67.51,30.34 66.97,29.8 arc(66.62,29.56) 66.19,29.48 63.09,29.48 J7.15
  BOTTOM w0.127: U8.W9 87.48,38.15 v2(87.16,38.47)
MIPI0_D3P: length 42.1
  TOP w0.127: J7.17 63.09,29.78 64.9,29.78 65.09,29.97 65.39,29.97 65.57,29.78 66.19,29.78 arc(66.5,29.85) 66.76,30.02 67.29,30.55 arc(67.48,30.83) 67.55,31.16 67.55,38.99 arc(67.72,39.42) 68.16,39.6 68.79,39.6 arc(68.88,39.63) 68.92,39.72 68.92,40 arc(68.88,40.09) 68.79,40.13 68.23,40.13 arc(67.55,40.81) 68.23,41.5 70.56,41.5 arc(70.8,41.6) 70.9,41.84 70.9,42.97 arc(71.14,43.55) 71.71,43.79 83.44,43.79 arc(84.08,43.66) 84.62,43.3 85.17,42.74 86.49,41.42 arc(86.64,41.2) 86.7,40.93 86.7,39.91 arc(86.76,39.61) 86.93,39.35 v2(87.16,39.12)
  BOTTOM w0.127: v2(87.16,39.12) 87.48,38.8 U8.Y9
MIPI1_CKM: length 45
  TOP w0.127: J7.47 63.09,35.78 64.04,35.78 arc(64.33,35.9) 64.45,36.19 64.45,38.87 arc(64.39,39.16) 64.22,39.42 64.11,39.53 arc(63.91,39.83) 63.84,40.18 63.84,43.99 arc(63.99,44.35) 64.35,44.5 arc(64.53,44.57) 64.6,44.75 64.6,44.88 arc(64.53,45.06) 64.35,45.13 64.09,45.13 arc(63.79,45.26) 63.66,45.56 63.66,45.87 arc(63.79,46.17) 64.09,46.3 84.93,46.3 arc(85.48,46.19) 85.95,45.88 89.92,41.91 arc(90.11,41.63) 90.17,41.31 90.17,39.09 arc(90.13,38.9) 90.03,38.74 v2(89.76,38.47)
  BOTTOM w0.127: U8.W13 v2(89.76,38.47)
MIPI1_CKP: length 45
  TOP w0.127: J7.45 63.09,35.48 64.04,35.48 arc(64.54,35.69) 64.75,36.19 64.75,38.87 arc(64.67,39.28) 64.43,39.63 64.32,39.74 arc(64.19,39.94) 64.14,40.18 64.14,41.3 arc(64.22,41.48) 64.4,41.55 64.47,41.55 arc(64.73,41.81) 64.47,42.06 64.4,42.06 arc(64.22,42.14) 64.14,42.32 64.14,42.62 arc(64.22,42.8) 64.4,42.87 arc(64.65,43.13) 64.4,43.38 arc(64.22,43.46) 64.14,43.64 64.14,43.99 arc(64.2,44.13) 64.35,44.19 arc(64.74,44.36) 64.9,44.75 64.9,44.88 arc(64.74,45.27) 64.35,45.44 64.09,45.44 arc(64,45.47) 63.97,45.56 63.97,45.87 arc(64,45.96) 64.09,46 84.93,46 arc(85.37,45.91) 85.74,45.66 87.69,43.71 89.64,41.75 arc(89.81,41.51) 89.87,41.22 89.87,39.38 arc(89.84,39.24) v2(89.76,39.12)
  BOTTOM w0.127: U8.Y13 v2(89.76,39.12)
MIPI1_D0M: length 45.5
  TOP w0.127: v2(61.77,37) 61.78,36.98 62.68,36.98 62.72,37.03 J7.53
  BOTTOM w0.127: U8.AA13 90.27,39.63 arc(90.37,39.78) 90.41,39.96 90.41,40.09 90.41,40.1 90.41,43.34 arc(90.32,43.76) 90.08,44.12 86.03,48.18 85.62,48.58 arc(85.14,48.9) 84.57,49.02 68.56,49.02 arc(67.93,48.89) 67.39,48.53 64.16,45.3 64.16,45.3 63.69,44.84 arc(63.35,44.32) 63.23,43.71 63.23,37.6 arc(63.18,37.33) 63.02,37.11 62.83,36.92 62.78,36.86 arc(62.66,36.78) 62.52,36.75 62.36,36.75 arc(62.31,36.75) 62.25,36.76 arc(61.99,36.84) v2(61.77,37)
MIPI1_D0P: length 45.6
  TOP w0.127: J7.51 62.74,36.63 62.7,36.67 62.24,36.67 arc(61.9,36.53) v2(61.77,36.2)
  BOTTOM w0.127: v2(61.77,36.2) 61.87,36.3 arc(62.03,36.41) 62.21,36.44 62.52,36.44 arc(62.77,36.5) 62.99,36.64 63.24,36.89 arc(63.46,37.21) 63.53,37.6 63.53,43.71 arc(63.63,44.2) 63.91,44.62 64.55,45.26 64.73,45.26 64.77,45.21 64.95,45.21 65.13,45.39 65.13,45.57 65.09,45.62 65.09,45.8 65.27,45.98 65.45,45.98 65.49,45.93 65.67,45.93 65.85,46.11 65.85,46.29 65.81,46.34 65.81,46.52 65.99,46.7 66.17,46.7 66.22,46.65 66.39,46.65 66.58,46.83 66.58,47.01 66.53,47.06 66.53,47.24 67.61,48.32 arc(68.05,48.61) 68.56,48.71 84.57,48.71 arc(85.02,48.62) 85.4,48.37 89.87,43.91 arc(90.04,43.64) 90.1,43.34 90.1,40.11 U8.AB13